# KiCad board skean.kicad_pcb (continued)
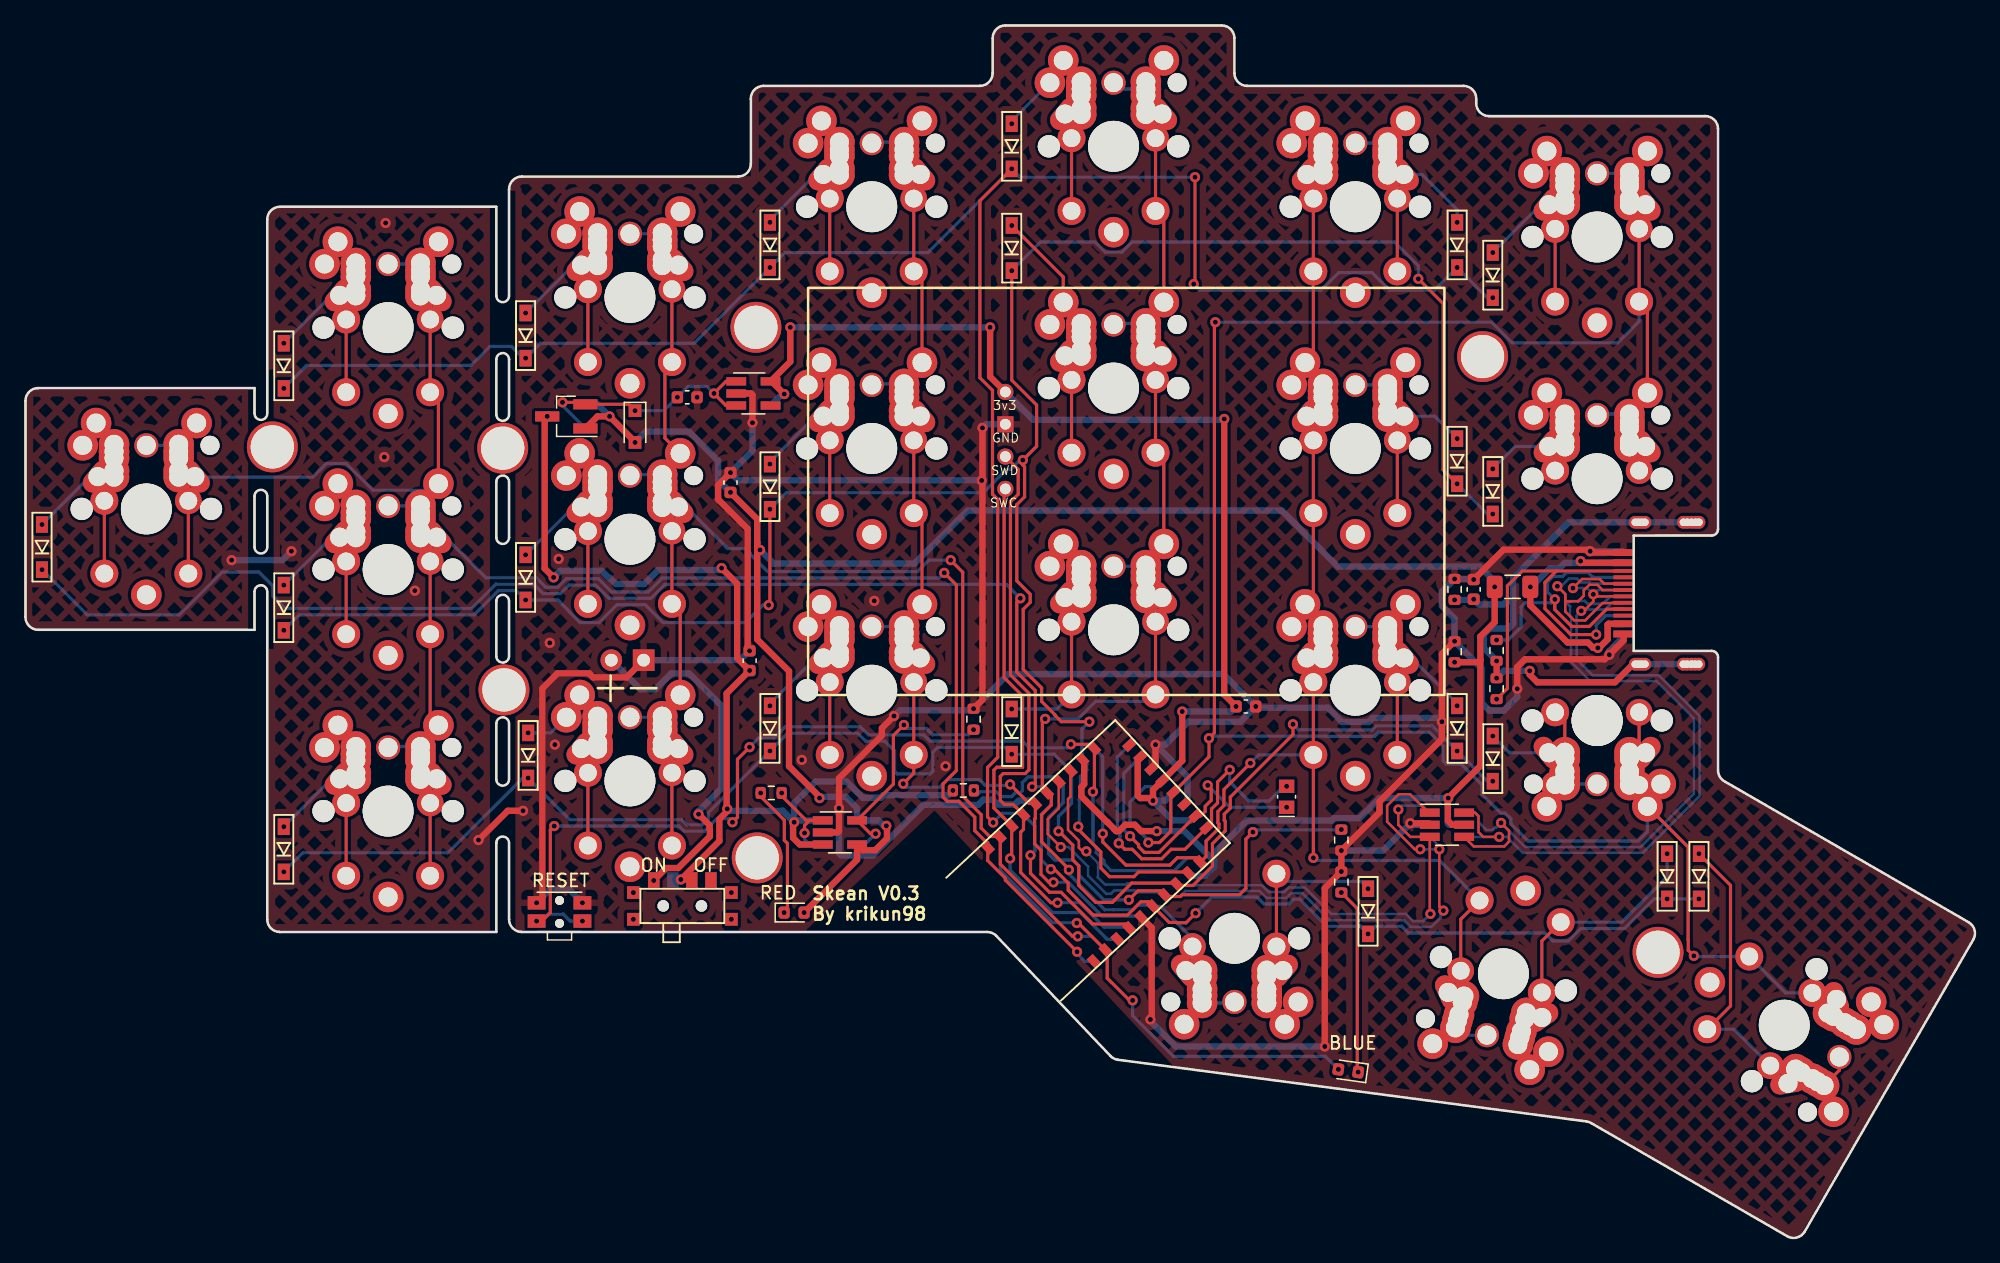
[diagram p0: board, top side]
## Nets
GND: C1.2 C2.2 C3.1 C4.2 C5.2 J2.2 J3.A1 J4.1 R3.2 R6.2 R8.2 R9.2 R10.2 RSW1.2 U1.5 U1.21 U2.2 U3.2 U4.2
GNDS: C3.2 J3.S1 R4.2 R5.2 R10.1
VBAT: C4.1 Q2.3 R2.1 SW1.2 U3.3
VBUS: C5.1 D23.2 D24.2 F1.2 Q2.1 R6.1 U1.27 U3.4 U4.5
/P0.00: U1.11 X1.2
/P0.01: U1.13 X1.1
BATTERY_PIN: R2.2 R3.1 U1.7
BLUE_LED: D25.2 U1.2
CC1: J3.A5 R5.1
CC2: J3.B5 R4.1
COL0: K1.2 K7.2 K13.2 K19.2 U1.43
COL1: K2.2 K8.2 K14.2 U1.41
COL2: K3.2 K9.2 K15.2 U1.35
COL3: K4.2 K10.2 K16.2 K20.2 U1.33
COL4: K5.1 K11.1 K17.1 K21.2 U1.10
COL5: K6.2 K12.2 K18.1 K22.1 U1.17
DATA+: U1.31 U4.1
DATA-: U1.29 U4.3
nRF_VDD: C2.1 J2.1 U1.19 U1.23 U2.5
RESET: RSW1.1 U1.26
ROW0: D1.1 D2.1 D3.1 D4.1 D5.1 D6.1 U1.4
ROW1: D7.1 D8.1 D9.1 D10.1 D11.1 D12.1 U1.9
ROW2: D13.1 D14.1 D15.1 D16.1 D17.1 D18.1 U1.8
ROW3: D19.1 D20.1 D21.1 D22.1 U1.6
SWC: J2.4 U1.39
SWD: J2.3 U1.37
USBN: J3.A7 J3.B7 U4.4
USBP: J3.A6 J3.B6 U4.6
Net-(D1-A): D1.2 K1.1
Net-(D2-A): D2.2 K2.1
Net-(D3-A): D3.2 K3.1
Net-(D4-A): D4.2 K4.1
Net-(D5-A): D5.2 K5.2
Net-(D6-A): D6.2 K6.1
Net-(D7-A): D7.2 K7.1
Net-(D8-A): D8.2 K8.1
Net-(D9-A): D9.2 K9.1
Net-(D10-A): D10.2 K10.1
Net-(D11-A): D11.2 K11.2
Net-(D12-A): D12.2 K12.1
Net-(D13-A): D13.2 K13.1
Net-(D14-A): D14.2 K14.1
Net-(D15-A): D15.2 K15.1
Net-(D16-A): D16.2 K16.1
Net-(D17-A): D17.2 K17.2
Net-(D18-A): D18.2 K18.2
Net-(D19-A): D19.2 K19.1
Net-(D20-A): D20.2 K20.1
Net-(D21-A): D21.2 K21.1
Net-(D22-A): D22.2 K22.2
Net-(D23-K): C1.1 D23.1 Q2.2 U2.1 U2.3
Net-(D24-K): D24.1 R7.1
Net-(D25-K): D25.1 R9.1
Net-(F1-Pad1): F1.1 J3.A4
Net-(J4-Pin_2): J4.2 SW1.1
Net-(U3-PROG): R8.1 U3.5
Net-(U3-STAT): R7.2 U3.1

Pads without a net: J3 A8 B8; SW1 3 H; U1 1 3 15 25; U2 4

## Via types
v1: diameter 0.8, hole 0.4, Top to Bottom, 205 vias

## Routing (per net, layer and track width the routed paths; a pad name or vN(x,y) marks a point on that pad's centre or on a via; arc(x,y) is an arc through that point)
GND: length 333.8
  Top w0.5: v1(102.1,15.02) 102.1,27.46 v1(103.4,28.77) v1(103.4,30.42) 106.4,33.42 106.4,34.27 111.3,39.17 v1(111.3,40.54) 111.3,45.87 v1(112.3,46.87) ; v1(117.22,43.13) 117.22,44.84 117.83,45.45 124.1,45.45 v1(124.45,45.81) 125.57,46.93 J3.A1 ; v1(40.17,26.31) 40.62,26.76 40.62,43.16 41.8,44.34 44.3,44.34 44.61,44.03 47.23,44.03 J4.1 ; U2.2 57,66.34 57.13,66.22 v1(57.13,64.04) ; v1(68.25,40.99) 67.3,40.04 67.3,39.47 63.93,36.1 v1(63.93,33.74) 63.93,31.97 63.81,31.84 U3.2 ; v1(88.8,38.74) 88.8,37.18 U1.21 ; U4.2 110.23,32.56 v1(108.82,32.56) ; U1.5 88.5,24.35 88.5,17.24 v1(88.4,17.14) ; v1(56.9,46.12) 56.75,46.27 56.75,55.69 54.42,58.02 54.42,59.14 v1(55.4,60.12) ; v1(113.8,51.72) 116.15,54.07 122.83,54.07 v1(122.96,53.94) 123.05,53.84 J3.A1 ; v1(74.5,41.57) 75.2,42.27 v1(75.2,63.64) ; v1(35.6,31.24) 37.9,33.54 v1(39.1,33.54)
  Bottom w0.5: J3.A1 125.47,53.94 v1(122.96,53.94) ; v1(16.2,53.24) 20.2,53.24 v1(20.9,53.94) ; J2.2 75.48,63.92 v1(75.2,63.64) ; U2.2 57,66.34 57.13,66.22 v1(57.13,64.04) 57.13,61.85 v1(55.4,60.12) 56,59.52 75.13,59.52 v1(75.14,59.5) ; v1(96.67,41.74) 96.77,41.64 102.34,41.64 103.46,40.52 105.54,40.52 105.86,40.84 111,40.84 v1(111.3,40.54) ; v1(96.67,41.74) 95.48,40.54 91.37,40.54 89.57,38.74 v1(88.8,38.74) 91.31,36.23 91.31,34.3 U1.21 ; v1(96.67,41.74) 94.13,44.29 77.22,44.29 v1(74.5,41.57) 74.38,41.44 68.7,41.44 v1(68.25,40.99) ; v1(113.8,51.72) 113.75,51.77 v1(112.3,51.77) 111.3,50.77 111.3,49.65 112.3,48.65 v1(112.3,46.87) 114.4,44.77 114.4,42.05 115.04,41.42 116.16,41.42 117.22,42.48 v1(117.22,43.13) ; v1(43.77,26.31) 42.74,27.34 41.2,27.34 v1(40.17,26.31) ; v1(124.45,45.81) 124.45,46.09 125.57,47.21 J3.A1 ; v1(56.9,46.12) 56.16,45.38 J4.1 ; U1.5 79.11,34.34 78.06,34.34 77.75,34.04 76.39,34.04 76.02,34.42 75.27,34.42 74.86,34.01 70.56,34.01 66.6,30.04 64.1,30.04 63.93,30.21 63.93,31.84 U3.2 63.81,31.84 63.93,31.97 v1(63.93,33.74) ; v1(102.1,15.02) 90.4,15.02 88.4,17.02 v1(88.4,17.14) ; U4.2 108.94,32.44 v1(108.82,32.56) 106.67,30.42 v1(103.4,30.42)
  vias: v1(28.2,61.34) v1(28.3,79.74) v1(30.6,50.84) v1(41.2,46.74) v1(41.6,38.74) v1(41.9,53.34) v1(52.77,66.04) v1(61,37.54) v1(66.7,50.04) v1(72.3,37.04)
GNDS: length 49.5
  Top w0.5: v1(118.2,44.54) 118.2,44.24 118.8,43.64 124.9,43.64 126.32,45.07 J3.S1 ; v1(115.6,43.97) v1(115.6,45.32)
  Bottom w0.5: v1(115.6,43.97) 116.18,44.54 v1(118.2,44.54) ; v1(112.3,50.12) 113.75,50.12 v1(113.8,50.17) 114.2,49.76 116.14,49.76 116.37,49.99 116.85,49.99 116.9,50.04 ; v1(115.6,45.32) 114.6,46.32 114.6,47.43 115.04,47.87 116.52,47.87 116.9,48.24 116.9,50.04 ; 116.9,50.04 116.9,51.85 121.27,56.22 J3.S1 126.49,56.22 J3.S1 ; J3.S1 J3.S1
VBAT: length 83.9
  Top w0.5: SW1.2 52.29,28.14 v1(51.5,28.14) 54.53,31.17 54.53,32.89 55.15,33.51 v1(55.15,33.69) 55.1,33.74 55.1,42.77 v1(56.9,44.57) 55.93,45.54 55.93,51.39 v1(54.7,52.62) ; v1(41,64.54) 40.8,64.34 40.8,52.59 v1(41.5,51.89) ; v1(60.4,32.64) 60.32,32.56 60.32,31.42 60.85,30.89 U3.3
  Bottom w0.5: v1(41.5,51.89) 42.02,52.41 45.28,52.41 45.84,51.84 45.92,51.84 46.4,51.37 48.63,51.37 49.73,52.47 54.55,52.47 v1(54.7,52.62) ; v1(55.15,33.69) 55.3,33.54 59.5,33.54 v1(60.4,32.64) ; v1(60.4,32.64) 60.55,32.79 U3.3 ; v1(60.4,32.64) 60.4,34.15 62.1,35.84 64.52,35.84 65.8,34.57 67.2,34.57 67.4,34.77 72.5,34.77 v1(72.88,35.14) ; SW1.2 51.42,28.06 v1(51.5,28.14)
VBUS: length 192.7
  Top w0.5: v1(115.45,51.14) 115.45,48.37 114.31,47.23 114.32,47.22 114.32,45.39 ; 57.5,54.64 57.5,56.47 v1(55.4,58.57) ; 57.5,54.64 57.5,47.02 60,44.52 60,37.04 62.4,34.64 v1(62.4,34.54) ; 57.5,54.64 57.5,54.27 v1(57.73,54.04) ; v1(47.9,62.49) 47.9,62.54 v1(45.9,64.54) 44.95,64.54 Q2.1 ; v1(67.65,32.36) 67.7,32.31 67.7,31.37 66.77,30.44 65.8,30.44 U3.4 65.35,29.7 v1(61.19,25.54) ; v1(88.9,31.94) 88.9,31.95 87.87,31.95 87.86,31.94 87.67,31.94 87.17,32.44 86.43,32.44 85.93,31.94 85.71,31.94 85.55,32.09 85.55,32.11 85.03,32.64 85.01,32.64 82.98,34.67 82.98,35.41 83.19,35.63 83.19,37.43 U1.27 ; 114.32,45.39 114.15,45.22 v1(112.3,45.22) ; 114.32,45.39 114.32,37.07 v1(111.8,34.54) 111.77,34.51 111.77,32.77 112.1,32.44 U4.5
  Bottom w0.5: D24.2 v1(61.19,25.54) ; U4.5 111.9,32.44 111.77,32.57 111.77,34.51 v1(111.8,34.54) 106.4,34.54 104.82,32.97 102.84,32.97 102.64,32.77 95.95,32.77 93.4,30.21 93.4,29.61 ; 93.4,29.61 93.4,29.14 92.67,28.41 91.61,28.41 U1.27 ; 93.4,29.61 91.07,31.94 v1(88.9,31.94) ; v1(115.45,51.14) F1.2 115.45,51.57 114.28,52.74 103.13,52.74 98.73,57.14 74.02,57.14 69.84,52.97 58.8,52.97 v1(57.73,54.04) ; Q2.1 44.95,65.49 v1(45.9,64.54) ; v1(55.4,58.57) 54.42,59.54 54.42,61.07 52.15,63.34 48.75,63.34 v1(47.9,62.49) ; v1(67.65,32.36) 67.45,32.36 67.02,32.79 U3.4 65.35,33.74 64.45,34.64 62.5,34.64 v1(62.4,34.54)
(no net):
  vias: v1(47.77,27.11) v1(47.77,25.01) v1(55.47,27.11) v1(55.47,25.01)
/P0.00: length 28.5
  Top w0.25: v1(85.91,30.99) 86.38,30.52 86.97,30.52 87.71,29.77 89.28,29.77 90.03,30.52 91.12,30.52 U1.11 93.2,32.6 93.2,33.69 93.68,34.16 93.68,35.81 v1(94.63,36.76)
  Bottom w0.25: v1(94.63,36.76) 94.63,35.81 96.13,34.32 97.73,34.32 98.88,35.47 v1(99.1,35.47) ; v1(85.91,30.99) 86,31.08 86,31.64 85.8,31.84 85.8,37.77 U1.11
/P0.01: length 24.1
  Top w0.25: v1(92.9,35.54) 93.18,35.27 93.18,34.37 92.7,33.9 92.7,33.49 92.36,33.15 U1.13 89.07,30.27 87.92,30.27 87.47,30.73 87.47,30.88 v1(86.8,31.54)
  Bottom w0.25: U1.13 86.3,36.47 86.3,32.04 v1(86.8,31.54) ; v1(92.9,35.54) 94.63,33.82 v1(99.1,33.82)
BATTERY_PIN: length 44.4
  Top w0.25: v1(96.45,31.87) 95.9,31.32 95.9,27.44 95.4,26.94 90.89,26.94 90.75,26.81 89.63,26.81 U1.7 89.18,27.26 87.41,27.26 v1(86.7,26.54)
  Bottom w0.25: v1(74.53,35.14) 74.82,34.85 75.01,35.04 76.28,35.04 76.65,34.66 77.5,34.66 77.8,34.97 78.19,34.97 78.33,35.11 78.33,35.75 78.78,36.21 80.83,36.21 U1.7 81.54,35.5 81.54,34.18 80.4,33.04 80.4,30.14 80.87,29.68 82.31,29.68 82.8,29.19 82.8,28.47 84.73,26.54 v1(86.7,26.54) ; v1(103.4,32.07) 103.38,32.04 96.62,32.04 v1(96.45,31.87)
BLUE_LED: length 37.6
  Top w0.25: v1(87,18.64) 86.75,18.64 85,20.39 85,22.46 U1.2 82.74,24.72 v1(82.61,24.72)
  Bottom w0.25: v1(87,18.64) 87,17.44 90.2,14.24 102.14,14.24 v1(103.17,13.22) ; v1(82.61,24.72) 82.59,24.74 80.72,24.74 76.6,28.86 76.6,31.46 U1.2
CC1: length 22.2
  Top w0.25: J3.A5 124.25,49.39 122.89,48.03 121.5,48.03 120.17,49.36 v1(120.17,50.16)
  Bottom w0.25: v1(115.6,46.97) 116.51,46.97 117.53,47.98 117.53,49.57 117.85,49.89 119.9,49.89 v1(120.17,50.16) 119.6,50.74 119.6,51.51 120.05,51.97 120.79,51.97 121.09,52.27 122.8,52.27 123.18,51.89 J3.A5
CC2: length 30.3
  Top w0.25: v1(115.6,42.32) 116.45,43.17 116.45,51.23 117.62,52.39 120.3,52.39 ; v1(123.43,47.39) 121.43,47.39 119.4,49.43 119.4,51.49 120.3,52.39 ; 120.3,52.39 J3.B5
  Bottom w0.25: J3.B5 124.17,48.88 123.43,48.14 v1(123.43,47.39)
COL0: length 181.9
  Top w0.25: K1.2 31.04,76.86 K1.2 31.08,74.06 K1.2 31.8,73.55 K1.2 K1.2 32.45,65.79 K7.2 31.04,57.84 K7.2 ; K13.2 32.27,36.02 K13.2 ; K13.2 31.04,34.92 K13.2 K13.2 ; K13.2 K13.2 32.45,40.01 K13.2 31.8,40.92 K7.2 K7.2 31.04,53.9 K7.2 ; K7.2 32.27,55 K7.2 ; K19.2 12.04,62.61 K19.2 K19.2 12.08,59.81 K19.2 12.8,59.3 K19.2 K19.2 ; v1(82.63,22.46) 77,28.09 77,28.24 75.61,29.63 U1.43 75.61,31.02 75.56,31.02 74.6,31.98 74.6,33.04 73.34,34.29 72.44,34.29 72.1,34.63 72.1,35.66 73.15,36.71 73.15,51.29 v1(72.2,52.24)
  Bottom w0.25: U1.43 83.24,21.7 82.63,22.31 v1(82.63,22.46) ; K7.2 30.96,57.5 K7.2 ; K1.2 30.96,76.52 K1.2 ; K19.2 13.35,59.77 22.57,59.77 23.64,60.83 25.2,60.83 27.29,58.74 31.94,58.74 K7.2 ; K19.2 11.96,62.27 K19.2 ; K7.2 33,55.04 36.2,51.84 36.21,51.85 40.14,51.85 40.88,51.11 41.83,51.11 42.5,51.78 45.02,51.78 46.06,50.74 48.94,50.74 50.04,51.84 71.8,51.84 v1(72.2,52.24) ; K13.2 28.58,38.6 K13.2
COL1: length 126.8
  Top w0.25: K14.2 K14.2 50.8,37.63 K14.2 ; K8.2 K8.2 51.45,49.16 K14.2 50.04,41.23 K14.2 ; K8.2 50.8,56.63 K8.2 50.04,60.23 K8.2 50.25,62.84 50.25,68.26 K2.2 K2.2 50.8,75.92 K2.2 50.08,76.43 K2.2 50.04,79.23 K2.2 ; K8.2 50.8,56.92 K8.2 ; K14.2 50.08,38.43 K14.2 ; v1(72.7,53.24) 73.65,52.29 73.65,34.69 75.1,33.24 75.1,32.18 75.76,31.52 U1.41 76.6,31.46 76.6,29.35 82.27,23.68 v1(82.69,23.68)
  Bottom w0.25: K2.2 49.96,78.89 K2.2 ; K14.2 49.96,40.89 K14.2 ; K8.2 47.58,59.97 K8.2 ; U1.41 83.79,23.68 v1(82.69,23.68) ; v1(72.7,53.24) 71,53.24 70.1,52.34 58.33,52.34 56.95,53.72 56.95,53.79 56.6,54.14 55.2,54.14 51.92,57.43 K8.2
COL2: length 92
  Top w0.25: K15.2 69.04,48.36 K15.2 70.45,56.29 K9.2 K9.2 69.8,64.05 K9.2 70.27,64.52 K9.2 69.04,67.36 K9.2 70.45,75.29 K3.2 K3.2 ; K15.2 K15.2 69.8,36.49 v1(68.97,35.67) ; K15.2 69.8,45.05 K15.2 ; K15.2 69.8,44.76 K15.2 ; K3.2 69.04,86.36 K3.2 69.08,83.56 K3.2 ; v1(80.78,27.92) 80.42,27.92 79.8,28.54 79.8,30.44 79.3,30.94 79.3,32.9 79.35,32.95 79.35,34.09 U1.35 78.87,34.12 v1(77.37,35.61)
  Bottom w0.25: K15.2 68.96,48.02 K15.2 ; v1(77.37,35.61) 77.3,35.54 75.42,35.54 74.96,35.99 72.44,35.99 72.1,35.66 72.1,35.64 71.85,35.39 69.25,35.39 v1(68.97,35.67) ; K9.2 66.58,67.1 K9.2 ; U1.35 87.58,25.26 84.59,25.26 81.94,27.92 v1(80.78,27.92) ; K3.2 66.58,86.1 K3.2
COL3: length 113.3
  Top w0.25: K4.2 88.04,91.11 K4.2 88.5,88.31 K4.2 88.8,87.8 K4.2 K4.2 89.45,80.04 K10.2 88.04,72.11 K10.2 ; v1(81.99,28.9) 81.99,28.96 79.85,31.1 79.85,33.24 80.61,34 80.61,34.63 U1.33 79.9,35.34 79.9,40.55 v1(80.12,40.77) ; K20.2 92.46,22.12 K20.2 91.05,17.03 K20.2 ; K10.2 88.08,69.31 K10.2 ; K20.2 91.19,20.29 K20.2 ; K16.2 89.31,48.92 K16.2 ; K16.2 88.04,49.17 K16.2 89.45,54.26 K16.2 89.45,61.04 K10.2 K10.2 88.8,68.51 K10.2 ; K16.2 K16.2
  Bottom w0.25: K4.2 86,90.27 K4.2 ; K16.2 87.96,52.77 K16.2 ; v1(80.12,40.77) 82.73,40.77 84.1,42.14 88.26,42.14 K16.2 ; v1(81.99,28.9) 81.99,28.57 84.8,25.76 87.02,25.76 87.39,26.13 87.39,26.13 88.51,26.13 U1.33 89.17,26.03 91.7,23.51 K20.2 ; K10.2 85.58,71.85 K10.2 ; K20.2 94.92,18.44 K20.2
COL4: length 136.3
  Top w0.25: K11.1 99.5,67.72 K11.1 ; K11.1 100.55,68.51 K11.1 101.96,63.42 K11.1 K11.1 101.2,50.42 K17.1 ; K11.1 101.2,69.42 K5.1 K5.1 101.2,82.76 K5.1 101.96,86.36 K5.1 99.5,86.72 K5.1 ; K17.1 99.5,48.72 K17.1 ; K21.2 111.12,15.24 K21.2 112.37,17.96 K21.2 112.57,18.49 K21.2 ; K17.1 101.96,44.42 K17.1 K17.1 v1(101.2,29.84) ; K5.1 101.5,83.56 K5.1 ; v1(96.25,37.29) 94.18,35.21 94.18,33.96 93.7,33.48 93.7,32.59 93.78,32.51 93.78,32.17 92.77,31.16 92.77,29.95 U1.10 91.97,29.85 90.51,29.85 89.93,29.27 86.47,29.27 84.65,31.09 v1(84.65,31.74) ; K11.1 100.69,64.75 K11.1 ; K21.2 112.78,19.23 K21.2 112.78,25.02 K21.2 ; K17.1 101.96,48.36 K17.1 ; K17.1 100.69,45.75 K17.1
  Bottom w0.25: U1.10 84.65,37.77 v1(84.65,31.74) ; v1(96.25,37.29) 96.9,37.94 K17.1 ; K21.2 112.95,15.91 K21.2 ; v1(101.2,29.84) 101.4,29.64 111.12,29.64 K21.2
COL5: length 209.7
  Top w0.25: K18.1 K18.1 127.45,34.15 K18.1 ; K18.1 126.8,38.9 K18.1 ; K18.1 126.08,38.1 K18.1 ; K6.2 126.8,80.38 K6.2 K6.2 127.45,72.91 K12.2 126.04,64.98 K12.2 126.8,61.38 K12.2 ; K6.2 126.08,81.18 K6.2 ; K6.2 126.04,83.98 K6.2 ; K18.1 127.45,34.59 K18.1 ; K18.1 130.65,30.69 130.65,23.41 130.66,23.4 130.66,22.58 v1(131.1,22.14) ; v1(93.5,71.94) 93.43,71.87 93.43,39.67 v1(93,39.24) 93,37.79 U1.17 90,34.79 90,31.94 89.1,31.05 v1(88.24,31.05) ; K12.2 126.5,62.18 K12.2
  Bottom w0.25: K22.1 145.04,17.73 K22.1 142.54,16.74 K22.1 142.31,18.31 K22.1 140.92,18.72 K22.1 138.32,19.23 K22.1 131.15,22.09 v1(131.1,22.14) ; U1.17 88.86,35.44 88,35.44 86.8,34.24 86.8,32.64 88.24,31.2 v1(88.24,31.05) ; v1(93.5,71.94) 115.2,71.94 116.83,70.32 125.11,70.32 126.8,72.01 K6.2 ; v1(93,39.24) 93.17,39.41 102.1,39.41 102.12,39.39 106,39.39 106.33,39.72 110.32,39.72 111.4,38.64 111.4,37.47 111.65,37.22 112.82,37.22 114.45,35.59 114.45,34.84 115.92,33.37 116.27,33.37 116.73,32.91 116.73,32.52 118.08,31.17 126.72,31.17 127.45,31.9 K18.1 ; K6.2 125.96,83.64 K6.2 ; K12.2 123.58,64.72 K12.2
DATA+: length 57.5
  Top w0.2: v1(109.6,30.52) 109.16,30.52 107,32.68 107,33.94 107.9,34.84 108.8,34.84 110.25,33.39 U4.1 ; v1(81.35,30.69) 80.33,31.72 80.33,32.87 81.19,33.73 U1.31 ; v1(111.1,30.52) 111.1,26.02 v1(111.42,25.7)
  Bottom w0.2: v1(81.35,30.69) 81.97,30.69 83.5,29.16 83.5,28.44 84.93,27.02 85.3,27.02 85.58,27.29 87.15,27.29 87.3,27.14 89.29,27.14 U1.31 89.61,26.83 90.74,26.83 91.16,27.24 96.97,27.24 97.51,26.7 99.09,26.7 99.46,27.07 100.34,27.07 102.46,24.94 108.33,24.94 108.85,24.42 110.47,24.42 111.2,25.14 111.2,25.64 111.36,25.64 v1(111.42,25.7) ; v1(109.6,30.52) v1(111.1,30.52) 111.1,30.74 U4.1
DATA-: length 50.8
  Top w0.2: U1.29 82.12,34.66 81.92,34.47 81.92,32.04 82.78,31.19 82.78,30.64 83.06,30.35 v1(83.36,30.35) ; v1(107.88,33.64) 107.88,32.44 108.83,31.49 U4.3 110.35,25.49 v1(110.4,25.44)
  Bottom w0.2: v1(107.88,33.64) 108.18,33.94 109.8,33.94 U4.3 ; v1(110.4,25.44) 109.82,24.87 109.04,24.87 108.46,25.44 102.6,25.44 100.53,27.52 99.27,27.52 98.9,27.15 97.7,27.15 97.15,27.69 90.54,27.69 U1.29 90.39,27.84 86.6,27.84 86.5,27.74 84.84,27.74 84.27,28.31 84.27,29.45 v1(83.36,30.35)
nRF_VDD: length 93.1
  Top w0.5: v1(94.2,64.34) 94.2,42.67 v1(95.12,41.74) ; U1.23 87.4,37.57 87.4,34.74 87.6,34.54 88.4,34.54 v1(88.6,34.34) 88.6,35.18 U1.19 90.9,37.48 v1(90.9,41.34) ; v1(60.1,71.54) 60.1,68.84 U2.5 58.63,67.29 v1(59.63,66.29) ; J2.1 75.8,67.66 v1(75.8,71.54)
  Bottom w0.5: J2.1 79.2,64.27 94.12,64.27 v1(94.2,64.34) ; v1(90.9,41.34) 94.73,41.34 v1(95.12,41.74) ; v1(59.63,66.29) 59.45,66.29 U2.5 ; U1.23 91.6,32.8 90.15,32.8 v1(88.6,34.34) 89.56,34.34 U1.19 ; v1(60.1,71.54) v1(75.8,71.54)
RESET: length 80
  Top w0.25: v1(55.56,32.64) 55.95,33.04 55.95,37.59 v1(56.9,38.54) ; v1(40.17,24.87) 40.58,24.87 41.24,25.53 41.24,32.03 v1(41.55,32.34) ; v1(82.15,38.77) 83.66,38.77 U1.26 84,38.43 84,35.16 v1(83.88,35.04)
  Bottom w0.25: v1(83.88,35.04) 83.88,30.94 84.14,30.68 84.14,30.25 84.74,29.65 84.74,29.4 85.3,28.84 90.3,28.84 91.31,29.85 91.97,29.85 U1.26 ; v1(82.15,38.77) 81.88,38.49 78.87,38.49 78.35,39.02 71.08,39.02 70.58,39.51 66.23,39.51 65.6,40.14 59.69,40.14 58.82,39.27 57.6,39.27 57.6,39.24 v1(56.9,38.54) ; v1(43.77,24.87) 42.81,24.87 42.27,25.42 41.08,25.42 40.53,24.87 v1(40.17,24.87) ; v1(55.56,32.64) 55.28,32.92 54.33,32.92 53.36,31.94 51.76,31.94 51.36,32.34 v1(41.55,32.34)
ROW0: length 185.7
  Top w0.25: v1(78.97,30.04) 78.97,28.63 80.47,27.14 81.37,27.14 83.87,24.64 86.41,24.64 U1.4 ; v1(77.5,83.99) 75,81.49 75,67.58 75.99,66.59 75.99,58.42 76.4,58.01 76.4,37.75 75.6,36.95 75.6,33.06 v1(76.04,32.62) ; v1(91.8,74.94) 91.9,75.04 v1(91.9,83.34)
  Bottom w0.25: v1(76.04,32.62) 76.77,33.35 78.3,33.35 U1.4 79.32,32.33 79.32,30.39 v1(78.97,30.04) ; v1(20.3,66.74) 22.1,68.54 35,68.54 36.5,70.04 38.2,70.04 39.13,69.12 v1(39.3,69.12) 40.47,70.29 52.54,70.29 v1(58.5,76.24) 59.67,77.41 70.92,77.41 v1(77.5,83.99) 78.15,83.34 v1(91.9,83.34) ; v1(115.3,73.87) 114.87,73.87 v1(112.5,76.24) 110.72,74.46 107.19,74.46 105.81,75.84 103.19,75.84 101.81,74.46 92.28,74.46 v1(91.8,74.94)
ROW1: length 189.1
  Top w0.25: v1(109.45,75.35) 111.4,73.4 111.4,60.34 v1(112.5,59.24) ; v1(77.5,75.99) 77.5,67.39 79.46,65.44 79.46,62.19 v1(78.37,61.11) 78.37,60.72 78.51,60.58 78.51,58.22 77.9,57.61 77.9,51.61 78.95,50.56 78.95,49.92 78.4,49.37 78.4,44.65 79.85,43.2 79.85,42.14 80.9,41.09 80.9,41.04 81.4,40.54 v1(83.6,40.54) ; v1(58.5,57.24) 58.5,49.81 v1(58.4,49.7) ; U1.9 91.29,28.73 87.47,28.73 87.1,28.36 85.18,28.36 84.5,29.04 84.5,30.31 82.73,32.09 v1(82.73,32.3)
  Bottom w0.25: v1(58.4,49.7) 57.94,49.7 56.56,48.33 50.11,48.33 48.7,49.74 46.49,49.74 45.08,48.33 43.59,48.33 42.72,49.19 42.72,49.22 41.83,50.11 v1(39.3,50.11) 38.56,50.85 37.17,50.85 35.26,48.94 21.51,48.94 v1(20.3,47.73) ; v1(112.5,59.24) 114.87,56.87 v1(115.3,56.87) ; v1(83.6,40.54) 83.02,39.97 83.02,37.61 U1.9 83.4,37.23 83.4,36.74 82.9,36.24 82.9,34.54 82.8,34.44 82.8,32.37 v1(82.73,32.3) ; v1(58.5,57.24) 59.8,58.54 75.27,58.54 77.1,60.37 77.42,60.37 78.15,61.11 v1(78.37,61.11) ; v1(109.45,75.35) 109.45,76.39 107.59,78.24 86.95,78.24 86.15,77.44 84.85,77.44 84.05,78.24 79.75,78.24 v1(77.5,75.99)
ROW2: length 128.6
  Top w0.25: v1(81.17,31.93) 81.21,31.93 82.3,30.84 82.3,29.69 82.77,29.22 82.77,27.68 84.1,26.34 85.4,26.34 86.93,27.86 90.37,27.86 U1.8 90.56,27.67 91.74,27.67 93.27,29.2 93.27,30.95 94.28,31.96 94.28,32.72 94.2,32.8 94.2,33.28 94.68,33.75 94.68,34.62 99.6,39.54 v1(99.6,40.34)
  Bottom w0.25: v1(81.17,31.93) 81.17,33.11 82.2,34.14 82.2,36.63 U1.8 80.84,37.99 v1(77.5,37.99) 76.97,38.52 71.67,38.52 71.3,38.14 71.3,36.64 71.1,36.44 68.5,36.44 68.3,36.64 68.3,38.24 67.53,39.01 66.03,39.01 65.39,39.64 59.9,39.64 v1(58.5,38.24) 53.66,33.41 53.66,32.96 53.15,32.44 51.96,32.44 51.56,32.84 42.77,32.84 v1(39.5,36.12) 39.07,36.12 33.2,30.24 21.8,30.24 v1(20.3,28.74) ; v1(99.6,40.34) 100.03,39.91 102.44,39.91 102.46,39.89 105.79,39.89 106.12,40.22 110.52,40.22 v1(112.5,38.24) 114.87,35.87 v1(115.3,35.87)
ROW3: length 166.2
  Top w0.25: v1(79.1,35.43) 79.35,35.68 79.35,42.99 77.9,44.44 77.9,49.97 v1(78.17,50.24) ; v1(80.57,28.95) 80.85,28.95 81.94,27.86 81.94,27.28 81.96,27.28 83.9,25.34 86.6,25.34 87.64,26.39 88.25,26.39 U1.6 89.87,24.77 90.44,24.77 90.46,24.74 91.2,24.74 v1(91.95,25.49)
  Bottom w0.25: v1(91.95,25.49) 93.23,26.77 96.77,26.77 97.32,26.22 99.28,26.22 99.65,26.59 100.14,26.59 102.27,24.47 104.9,24.47 v1(105.5,23.87) 106.1,24.47 108.13,24.47 108.66,23.94 119.4,23.94 120.03,23.31 121.25,23.31 122.22,24.29 125.65,24.29 127.98,26.62 v1(129,26.62) v1(131.5,26.62) ; v1(79.1,35.43) 79.81,35.43 U1.6 80.61,34.63 80.61,34.05 79.82,33.27 79.82,29.7 v1(80.57,28.95) ; v1(1.3,52.49) 4.85,48.94 12.1,48.94 15.46,52.3 18.34,52.3 19.45,51.19 19.45,50.39 20.4,49.44 35.05,49.44 36.96,51.35 39.93,51.35 40.67,50.61 42.04,50.61 42.71,51.28 44.81,51.28 45.85,50.24 49.15,50.24 50.25,51.34 77.07,51.34 v1(78.17,50.24)
SWC: length 44.1
  Top w0.25: v1(77.37,29.79) 77.5,29.92 77.5,32.36 U1.39 76.1,33.76 76.1,36.74 76.32,36.97 78.35,36.97 78.35,42.57 76.9,44.02 76.9,58.74 J2.4
  Bottom w0.25: U1.39 85.04,23.44 84.94,23.53 84.91,23.53 82.9,25.54 80.7,25.54 77.37,28.87 v1(77.37,29.79)
SWD: length 47.5
  Top w0.25: v1(81.1,26.32) 80.58,26.32 78.2,28.7 78.2,31.86 78.43,32.09 78.43,33.23 U1.37 77.62,34.04 76.93,34.04 76.6,34.36 76.6,36.24 76.82,36.47 78.56,36.47 78.85,36.76 78.85,42.77 77.4,44.22 77.4,57.83 77.42,57.83 78.01,58.42 78.01,60.37 J2.3
  Bottom w0.25: v1(81.1,26.32) 82.83,26.32 84.75,24.4 86.65,24.4 U1.37
USBN: length 74.9
  Top w0.2: U4.4 113.8,30.74 116.2,30.74 116.58,31.12 116.58,31.96 v1(115.95,32.59) ; v1(120.37,51.19) 121,50.57 121,49.99 ; J3.B7 125.55,49.87 123.92,49.87 122.56,48.5 121.7,48.5 121,49.2 121,49.99 ; 121,49.99 121.43,49.99 121.44,50 122.01,50 122.45,50.44 122.45,50.87 122.89,51.31 123.51,51.31 123.93,50.89 J3.A7
  Bottom w0.2: J3.B7 123.01,51.39 122.9,51.49 122.21,51.49 121.91,51.79 121.29,51.79 120.69,51.19 v1(120.37,51.19) 121.03,50.53 121.03,49.96 121.38,49.62 121.38,48.87 121.45,48.79 121.45,45.24 122.95,43.74 128.16,43.74 131.1,40.81 131.1,34.88 126.91,30.69 117.85,30.69 v1(115.95,32.59) 115.6,32.24 115.49,32.24 115.29,32.04 114.8,32.04 114.18,32.66 114.18,33.12 113.91,33.39 U4.4 ; J3.A7 124.52,50.38 123.95,49.81 122.76,49.81 122.52,50.04 121.03,50.04
USBP: length 63.5
  Top w0.2: U4.6 113.91,33.39 114.18,33.12 114.18,31.86 114.55,31.49 v1(115.8,31.49) ; J3.B6 124.06,51.39 123.7,51.76 122.32,51.76 v1(121.6,51.04) ; v1(122.25,49.25) 122.46,49.25 123.2,49.99 v1(123.2,50.56) 123.37,50.39 J3.A6
  Bottom w0.2: J3.B6 125.53,49.93 124.71,49.93 124.14,49.36 122.35,49.36 v1(122.25,49.25) 121.9,48.91 121.9,45.43 123.14,44.19 128.35,44.19 131.55,40.99 131.55,34.69 127.1,30.24 117.66,30.24 116.41,31.49 v1(115.8,31.49) U4.6 ; J3.A6 123.53,50.89 v1(123.2,50.56) 122.72,51.04 v1(121.6,51.04)
Net-(D1-A): length 23
  Top w0.25: K1.1 24.69,72.67 K1.1 ; K1.1 25.2,73.26 K1.1 25.96,76.86 K1.1 23.5,77.22 K1.1 ; K1.1 K1.1
  Bottom w0.25: v1(20.3,70.29) 24.06,74.06 K1.1
Net-(D2-A): length 22.3
  Top w0.25: K2.1 44.5,76.43 K2.1 ; K2.1 42.5,79.59 K2.1 44.96,79.23 K2.1 44.2,75.63 K2.1 K2.1
  Bottom w0.25: v1(39.3,72.67) 43.06,76.43 K2.1
Net-(D3-A): length 22.2
  Top w0.25: K3.1 63.5,83.56 K3.1 ; K3.1 61.5,86.72 K3.1 63.96,86.36 K3.1 63.2,82.76 K3.1 K3.1
  Bottom w0.25: K3.1 62.09,83.56 58.5,79.97 v1(58.5,79.79)
Net-(D4-A): length 21.4
  Top w0.25: K4.1 81.69,88.5 K4.1 ; K4.1 K4.1 82.2,87.51 K4.1 82.96,91.11 K4.1 80.5,91.47 K4.1
  Bottom w0.25: K4.1 77.5,87.77 v1(77.5,87.54)
Net-(D5-A): length 23
  Top w0.25: K5.2 K5.2 107.8,83.05 K5.2 107.5,83.56 K5.2 ; K5.2 107.04,86.36 K5.2
  Bottom w0.25: v1(112.5,79.79) 112.5,80.79 109.74,83.56 K5.2 ; K5.2 106.96,86.02 K5.2
Net-(D6-A): length 22.1
  Top w0.25: K6.1 120.92,81.18 K6.1 ; K6.1 120.2,80.38 K6.1 K6.1 ; K6.1 120.96,83.98 K6.1 118.5,84.34 K6.1
  Bottom w0.25: v1(115.3,77.42) 119.06,81.18 K6.1
Net-(D7-A): length 20.8
  Top w0.25: K7.1 25.2,54.53 K7.1 K7.1 ; K7.1 23.5,58.2 K7.1 25.96,57.84 K7.1
  Bottom w0.25: v1(20.3,51.28) 24.06,55.04 K7.1
Net-(D8-A): length 22.1
  Top w0.25: K8.1 K8.1 44.2,56.63 K8.1 ; K8.1 44.92,57.43 K8.1 ; K8.1 42.5,60.59 K8.1 44.96,60.23 K8.1
  Bottom w0.25: v1(39.3,53.66) 43.06,57.43 K8.1
Net-(D9-A): length 21.7
  Top w0.25: K9.1 61.5,67.72 K9.1 63.96,67.36 K9.1 63.5,64.56 K9.1 ; K9.1 K9.1 63.2,63.76 K9.1
  Bottom w0.25: K9.1 62.09,64.56 58.5,60.97 v1(58.5,60.79)
Net-(D10-A): length 23.9
  Top w0.25: v1(77.5,79.54) 81.55,75.49 K10.1 ; K10.1 81.55,73.26 K10.1 82.96,68.17 K10.1 K10.1 ; K10.1 81.55,72.82 K10.1 ; K10.1 82.92,69.31 K10.1
Net-(D11-A): length 22.3
  Top w0.25: K11.2 K11.2 ; K11.2 107.04,63.42 K11.2 108.45,68.51 K11.2 ; K11.2 107.8,64.05 K11.2
  Bottom w0.25: K11.2 110.73,64.56 v1(112.5,62.79) ; K11.2 106.96,67.02 K11.2
Net-(D12-A): length 15.8
  Top w0.25: K12.1 118.5,65.34 K12.1 120.96,64.98 K12.1 120.2,61.38 K12.1 ; K12.1 120.5,62.18 K12.1
  Bottom w0.25: K12.1 117.06,62.18 v1(115.3,60.42)
Net-(D13-A): length 22.1
  Top w0.25: K13.1 23.5,39.22 K13.1 25.96,38.86 K13.1 25.92,36.06 K13.1 25.2,35.55 K13.1 K13.1
  Bottom w0.25: v1(20.3,32.29) 24.06,36.06 K13.1
Net-(D14-A): length 18.4
  Top w0.25: K14.1 44.2,37.92 K14.1 K14.1 ; K14.1 42.5,41.59 K14.1 44.96,41.23 K14.1
  Bottom w0.25: v1(39.5,39.67) 41.27,39.67 K14.1
Net-(D15-A): length 22.2
  Top w0.25: K15.1 63.5,45.56 K15.1 ; K15.1 61.5,48.72 K15.1 63.96,48.36 K15.1 63.2,44.76 K15.1 K15.1
  Bottom w0.25: K15.1 62.09,45.56 58.5,41.97 v1(58.5,41.79)
Net-(D16-A): length 21.5
  Top w0.25: K16.1 80.5,53.47 K16.1 82.96,53.11 K16.1 82.2,49.51 K16.1 K16.1 ; K16.1 82.5,50.31 K16.1
  Bottom w0.25: v1(77.5,41.54) 81.05,41.54 K16.1
Net-(D17-A): length 21.1
  Top w0.25: K17.2 107.8,45.05 K17.2 K17.2 ; K17.2 107.04,48.36 K17.2
  Bottom w0.25: K17.2 106.96,48.02 K17.2 ; K17.2 108.91,45.56 112.5,41.97 v1(112.5,41.79)
Net-(D18-A): length 18.5
  Top w0.25: K18.2 120.92,38.1 K18.2 ; K18.2 120.96,35.3 K18.2 ; K18.2 120.96,40.52 K18.2 ; K18.2 120.2,35.88 K18.2
  Bottom w0.25: v1(115.3,39.42) 116.61,38.1 K18.2 ; K18.2 121.04,35.64 K18.2
Net-(D19-A): length 23
  Top w0.25: K19.1 K19.1 ; K19.1 6.2,59.01 K19.1 6.96,62.61 K19.1 4.5,62.97 K19.1 ; K19.1 5.69,58.42 K19.1
  Bottom w0.25: K19.1 5.06,59.81 v1(1.3,56.04)
Net-(D20-A): length 24.7
  Top w0.25: K20.1 100,17.82 K20.1 97.54,18.18 K20.1 97.54,22.12 K20.1 ; K20.1 98.81,22.37 K20.1 ; K20.1 K20.1
  Bottom w0.25: K20.1 98.91,27.99 104.92,27.99 v1(105.5,27.42)
Net-(D21-A): length 27.4
  Top w0.25: K21.1 119.16,23.31 K21.1 ; K21.1 118.99,17.3 K21.1 ; K21.1 117.94,15.84 K21.1 118.2,14.24 K21.1 119.62,14.61 K21.1
  Bottom w0.25: K21.1 125.45,24.79 129,28.34 v1(129,30.17)
Net-(D22-A): length 34.6
  Top w0.25: K22.2 142.54,13.15 K22.2 ; v1(131.5,30.17) 133.98,27.69 133.98,18.2 K22.2
  Bottom w0.25: K22.2 139.77,13.51 K22.2 134.25,16.37 K22.2 ; K22.2 142.08,11.21 K22.2 ; K22.2 141.16,12.12 K22.2
Net-(D23-K): length 24.6
  Top w0.25: v1(42.2,65.64) 43.85,65.64 Q2.2 47.4,65.49 v1(47.9,64.99) ; U2.1 55.05,65.39 v1(54.1,66.34) 55.05,67.29 U2.1
  Bottom w0.25: v1(42.2,65.64) 42.2,65.39 Q2.2 ; v1(54.1,66.34) 55.05,67.29 U2.1 ; v1(54.1,66.34) 55.05,65.39 U2.1 ; v1(54.1,66.34) 53.55,66.89 52.07,66.89 v1(51.22,66.04) 50.18,64.99 v1(47.9,64.99)
Net-(D24-K): length 10.4
  Top w0.25: v1(59.61,25.54) 59.87,25.8 59.87,30.98 59.63,31.23 59.63,32.81 57.78,34.67 v1(57.78,34.94)
  Bottom w0.25: D24.1 v1(59.61,25.54)
Net-(D25-K): length 14.7
  Top w0.25: v1(104.72,13) 104.65,13.07 104.65,25.87 v1(103.4,27.12)
  Bottom w0.25: D25.1 v1(104.72,13)
Net-(F1-Pad1): length 26.6
  Top w0.5: v1(122.2,53.17) 122.32,53.04 J3.A4 ; J3.A4 124.4,48.24 124.32,48.16 124.32,47.02 123.65,46.35 v1(123.55,46.35) 123.2,46.35 122.78,46.77 121.17,46.77 118.25,49.69 v1(118.25,51.14)
  Bottom w0.5: J3.A4 120.96,53.02 120.53,52.59 119.79,52.59 118.34,51.14 F1.1 ; v1(123.55,46.35) 123.65,46.35 124.33,47.02 124.33,48.15 124.4,48.23 J3.A4
Net-(J4-Pin_2): length 28.4
  Top w0.5: v1(49.37,28.06) 50.35,29.04 51.29,29.04 53.78,31.53 53.78,32.06 53.76,32.08 53.76,32.41 v1(52.89,33.28)
  Bottom w0.5: v1(52.89,33.28) 52.89,33.52 54.7,35.33 54.7,41.8 52.15,44.34 50.75,44.34 49.5,43.09 48.32,43.09 J4.2
Net-(U3-PROG): length 18.7
  Top w0.25: v1(69.03,40.29) 68.2,39.46 68.2,35.64 U3.5 66.4,31.74 v1(66.8,31.74)
  Bottom w0.25: v1(66.8,31.74) 65.95,30.89 U3.5 ; v1(74.5,39.92) 74.1,39.52 71.28,39.52 70.79,40.01 69.3,40.01 v1(69.03,40.29)
Net-(U3-STAT): length 8.5
  Top w0.25: v1(59.43,34.94) 59.43,34.72 61.35,32.79 U3.1 61.62,32.79 61.22,32.39 v1(61.22,31.79)
  Bottom w0.25: v1(61.22,31.79) 61.22,31.29 61.62,30.89 U3.1

## Copper pours and planes (outline as drawn; the poured copper is in the pictures)
GND on Top, Bottom: 95,90.51 114,90.51 114,88.11 133,88.11 133,85.81 133.5,36.64 153.6,24.41 139.2,-0.29 122.8,9.11 85.5,14.11 75.9,24.11 19,24.01 19,47.81 -0.1,47.81 0,66.71 19,66.81 19,81.11 38,81.11 38,83.41 57,83.41 57,90.61 76,90.61 76,95.31 95,95.31

## Text on the board
B.Silkscreen: RED | BLUE | Skean V0.3 / By krikun98
F.Silkscreen: RED | BLUE | Skean V0.3 / By krikun98
